# Altium PCB UCL-CPUM-H7-2.PcbDoc (part 3 of 4)
Units mm, origin at the board's own origin, x right, y up, seen from the top; angles counter-clockwise.
Board outline 42 x 53 mm, 6 copper layers (Top Layer, L2_GND, L3_VCC, L4_Sig, L5_GND, Bottom Layer), stack 1.657 mm thick; 92 components, 176 nets, 471 pads, 255 vias.
Unrouted connection lines stored in the file: 34.
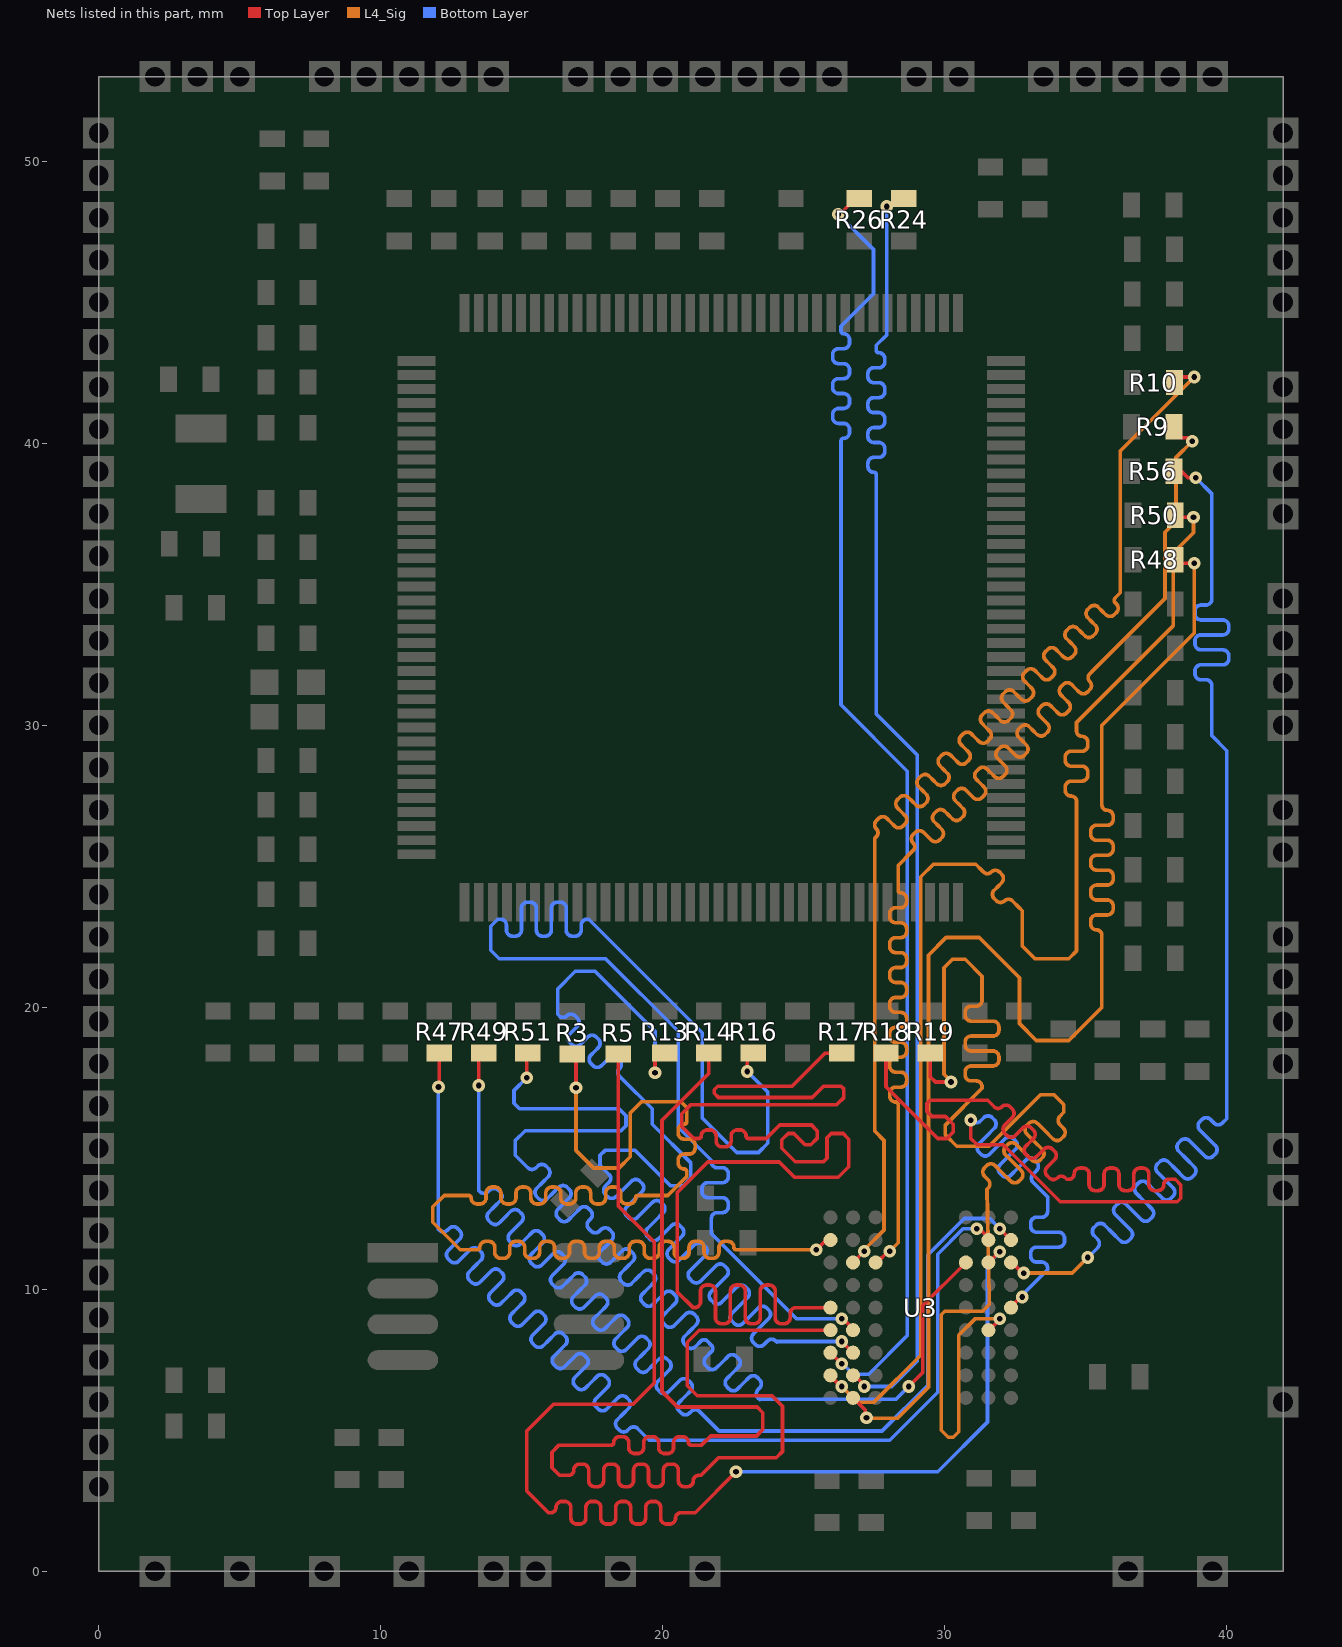
[diagram p7: the nets of this part, all layers, seen from the top]

## Via types
v1: diameter 0.4/0.45/0.4 (per signal layer), hole 0.2, Top Layer to Bottom Layer, 253 vias
v2: diameter 0.8, hole 0.4, Top Layer to Bottom Layer, 2 vias

## Nets (pads, with @x,y where several pads share a name; then routed paths per layer and width w, separated by ;. In a path a pad name is that pad's centre, name@x,y a point inside that pad or via, vN(x,y) a via of type N, cw(c..) or ccw(c..) an arc to the next point about the centre after c; other vN are vias at no path point) (continued)
SDRAM_A7: R47.1 U3.H2 | length 49.6
  Top Layer w0.13: v1(12.051,17.176) 12.08,17.205 R47.1@12.08,18.375 ; v1(31.134,12.144) 31.231,12.144 31.6,11.775 31.575,11.75 U3.H2@31.55,11.75
  Bottom Layer w0.13: v1(12.051,17.176) 12.035,17.16 12.035,12.14 12.072,12.103 ccw(c12.222,12.252) 12.372,12.103 12.426,12.156 cw(c12.576,12.006) 12.726,12.156 12.801,12.081 cw(c12.651,11.931) 12.801,11.781 12.597,11.578 12.394,11.374 ccw(c12.543,11.224) 12.394,11.074 12.468,10.999 ccw(c12.618,11.149) 12.768,10.999 12.972,11.203 13.176,11.407 cw(c13.325,11.257) 13.475,11.407 13.55,11.332 cw(c13.4,11.182) 13.55,11.032 13.347,10.828 13.143,10.625 ccw(c13.293,10.475) 13.143,10.325 13.218,10.25 ccw(c13.368,10.4) 13.518,10.25 13.721,10.454 13.925,10.657 cw(c14.075,10.507) 14.225,10.657 14.3,10.582 cw(c14.15,10.432) 14.3,10.282 14.096,10.079 13.893,9.875 ccw(c14.042,9.725) 13.893,9.575 13.968,9.5 ccw(c14.117,9.65) 14.267,9.5 14.471,9.704 14.675,9.908 cw(c14.825,9.758) 14.974,9.908 15.049,9.833 cw(c14.899,9.683) 15.049,9.533 14.846,9.329 14.642,9.126 ccw(c14.792,8.976) 14.642,8.826 14.717,8.751 ccw(c14.867,8.901) 15.017,8.751 15.221,8.954 15.424,9.158 ; 15.424,9.158 cw(c15.574,9.008) 15.724,9.158 15.799,9.083 cw(c15.649,8.933) 15.799,8.783 15.595,8.58 15.392,8.376 ccw(c15.542,8.226) 15.392,8.076 15.467,8.001 ccw(c15.616,8.151) 15.766,8.001 15.97,8.205 16.174,8.409 cw(c16.324,8.259) 16.474,8.409 16.548,8.334 cw(c16.399,8.184) 16.548,8.034 16.345,7.83 16.141,7.627 ccw(c16.291,7.477) 16.141,7.327 16.216,7.252 ccw(c16.366,7.402) 16.516,7.252 16.72,7.455 16.923,7.659 cw(c17.073,7.509) 17.223,7.659 17.298,7.584 cw(c17.148,7.434) 17.298,7.284 17.094,7.081 16.891,6.877 ccw(c17.041,6.727) 16.891,6.577 16.966,6.502 ccw(c17.116,6.652) 17.265,6.502 17.469,6.706 17.673,6.91 cw(c17.823,6.76) 17.973,6.91 18.048,6.835 cw(c17.898,6.685) 18.048,6.535 17.844,6.331 17.64,6.127 ccw(c17.79,5.978) 17.64,5.828 17.715,5.753 ccw(c17.865,5.903) 18.015,5.753 18.219,5.956 18.422,6.16 cw(c18.572,6.01) 18.722,6.16 18.797,6.085 cw(c18.647,5.935) 18.797,5.785 18.593,5.582 18.39,5.378 ccw(c18.54,5.228) 18.39,5.078 18.465,5.003 ccw(c18.615,5.153) 18.765,5.003 18.818,5.057 cw(c18.968,4.907) 19.118,5.057 19.525,4.65 19.55,4.65 28.05,4.65 29.75,6.35 29.75,11.241 30.653,12.144 v1(31.134,12.144)
SDRAM_A8: R49.1 U3.H1 | length 49.7
  Top Layer w0.13: v1(13.475,17.225) 13.475,18.2 R49.1@13.65,18.375 ; v1(31.952,12.151) 31.952,12.148 U3.H1@32.35,11.75
  Bottom Layer w0.13: v1(13.475,17.225) 13.475,13.5 13.512,13.463 ccw(c13.662,13.612) 13.812,13.463 13.866,13.516 cw(c14.016,13.366) 14.166,13.516 14.241,13.441 cw(c14.091,13.291) 14.241,13.142 14.037,12.938 13.834,12.734 ccw(c13.983,12.584) 13.834,12.434 13.908,12.359 ccw(c14.058,12.509) 14.208,12.359 14.412,12.563 14.616,12.767 cw(c14.765,12.617) 14.915,12.767 14.99,12.692 cw(c14.84,12.542) 14.99,12.392 14.787,12.188 14.583,11.985 ccw(c14.733,11.835) 14.583,11.685 14.658,11.61 ccw(c14.808,11.76) 14.958,11.61 15.161,11.814 15.365,12.017 cw(c15.515,11.867) 15.665,12.017 15.74,11.942 cw(c15.59,11.792) 15.74,11.642 15.536,11.439 15.333,11.235 ccw(c15.482,11.085) 15.333,10.935 15.408,10.86 ccw(c15.557,11.01) 15.707,10.86 15.911,11.064 16.115,11.268 cw(c16.265,11.118) 16.414,11.268 16.489,11.193 cw(c16.339,11.043) 16.489,10.893 16.286,10.689 16.082,10.486 ccw(c16.232,10.336) 16.082,10.186 16.157,10.111 ccw(c16.307,10.261) 16.457,10.111 16.661,10.314 16.864,10.518 cw(c17.014,10.368) 17.164,10.518 17.239,10.443 cw(c17.089,10.293) 17.239,10.143 17.035,9.94 16.832,9.736 ccw(c16.982,9.586) 16.832,9.436 16.907,9.361 ccw(c17.056,9.511) 17.206,9.361 17.41,9.565 17.614,9.769 cw(c17.764,9.619) 17.913,9.769 17.988,9.694 cw(c17.839,9.544) 17.988,9.394 17.785,9.19 17.581,8.987 ccw(c17.731,8.837) 17.581,8.687 17.656,8.612 ccw(c17.806,8.762) 17.956,8.612 18.16,8.815 18.363,9.019 cw(c18.513,8.869) 18.663,9.019 18.738,8.944 cw(c18.588,8.794) 18.738,8.644 18.534,8.441 18.331,8.237 ccw(c18.481,8.087) 18.331,7.937 18.406,7.862 ccw(c18.556,8.012) 18.705,7.862 18.909,8.066 19.113,8.27 cw(c19.263,8.12) 19.413,8.27 19.488,8.195 cw(c19.338,8.045) 19.488,7.895 19.284,7.691 19.08,7.487 ccw(c19.23,7.338) 19.08,7.188 19.155,7.113 ccw(c19.305,7.263) 19.455,7.113 19.659,7.316 19.862,7.52 cw(c20.012,7.37) 20.162,7.52 20.237,7.445 cw(c20.087,7.295) 20.237,7.145 20.033,6.942 19.83,6.738 ccw(c19.98,6.588) 19.83,6.438 19.905,6.363 ccw(c20.055,6.513) 20.205,6.363 20.408,6.567 20.612,6.77 cw(c20.762,6.621) 20.912,6.77 20.987,6.696 cw(c20.837,6.546) 20.987,6.396 20.783,6.192 20.579,5.988 ccw(c20.729,5.839) 20.579,5.689 20.654,5.614 ccw(c20.804,5.764) 20.954,5.614 21.008,5.667 cw(c21.158,5.517) 21.308,5.667 21.412,5.563 22,4.975 27.775,4.975 29.4,6.6 29.4,11.216 30.692,12.509 31.593,12.509 v1(31.952,12.151)
SDRAM_A9: R51.1 U3.G3 | length 49.5
  Top Layer w0.13: v1(15.175,17.5) 15.175,18.33 R51.1@15.22,18.375 ; v1(28.726,6.55) 29.225,7.049 29.225,9.425 30.725,10.925 30.725,10.95 U3.G3@30.75,10.95
  Bottom Layer w0.13: v1(15.175,17.5) 14.725,17.05 14.725,16.6 14.925,16.4 18.45,16.4 18.7,16.15 18.7,15.8 18.525,15.625 15.125,15.625 14.775,15.275 14.775,14.75 15.175,14.35 15.212,14.313 ccw(c15.362,14.462) 15.512,14.313 15.566,14.366 cw(c15.716,14.216) 15.866,14.366 15.941,14.291 cw(c15.791,14.141) 15.941,13.991 15.737,13.788 15.533,13.584 ccw(c15.683,13.434) 15.533,13.284 15.608,13.209 ccw(c15.758,13.359) 15.908,13.209 16.112,13.413 16.316,13.617 cw(c16.465,13.467) 16.615,13.617 16.69,13.542 cw(c16.54,13.392) 16.69,13.242 16.487,13.038 16.283,12.835 ccw(c16.433,12.685) 16.283,12.535 16.358,12.46 ccw(c16.508,12.61) 16.658,12.46 16.861,12.664 17.065,12.867 cw(c17.215,12.717) 17.365,12.867 17.44,12.792 cw(c17.29,12.642) 17.44,12.492 17.386,12.439 ccw(c17.536,12.289) 17.386,12.139 17.461,12.064 ccw(c17.611,12.214) 17.761,12.064 17.815,12.118 cw(c17.965,11.968) 18.114,12.118 18.189,12.043 cw(c18.039,11.893) 18.189,11.743 17.986,11.539 17.782,11.336 ccw(c17.932,11.186) 17.782,11.036 17.857,10.961 ccw(c18.007,11.111) 18.157,10.961 18.361,11.164 18.564,11.368 cw(c18.714,11.218) 18.864,11.368 18.939,11.293 cw(c18.789,11.143) 18.939,10.993 18.735,10.79 18.532,10.586 ccw(c18.682,10.436) 18.532,10.286 18.607,10.211 ccw(c18.756,10.361) 18.906,10.211 19.11,10.415 19.314,10.619 cw(c19.464,10.469) 19.613,10.619 19.688,10.544 cw(c19.539,10.394) 19.688,10.244 19.485,10.04 19.281,9.837 ccw(c19.431,9.687) 19.281,9.537 19.356,9.462 ccw(c19.506,9.612) 19.656,9.462 19.86,9.665 20.063,9.869 cw(c20.213,9.719) 20.363,9.869 20.438,9.794 cw(c20.288,9.644) 20.438,9.494 20.234,9.291 20.031,9.087 ccw(c20.181,8.937) 20.031,8.787 20.106,8.712 ccw(c20.256,8.862) 20.405,8.712 20.609,8.916 20.813,9.12 cw(c20.963,8.97) 21.113,9.12 21.188,9.045 cw(c21.038,8.895) 21.188,8.745 20.984,8.541 20.78,8.337 ccw(c20.93,8.188) 20.78,8.038 20.855,7.963 ccw(c21.005,8.113) 21.155,7.963 21.359,8.166 cw(c21.467,8.058) 21.575,8.166 21.733,8.008 cw(c21.625,7.9) 21.733,7.792 21.53,7.588 ccw(c21.68,7.438) 21.53,7.288 21.605,7.213 ccw(c21.755,7.363) 21.905,7.213 22.108,7.417 22.312,7.62 cw(c22.462,7.471) 22.612,7.62 22.687,7.546 cw(c22.537,7.396) 22.687,7.246 22.483,7.042 22.279,6.838 ccw(c22.429,6.689) 22.279,6.539 22.354,6.464 ccw(c22.504,6.614) 22.654,6.464 22.858,6.667 23.061,6.871 cw(c23.211,6.721) 23.361,6.871 23.436,6.796 cw(c23.286,6.646) 23.436,6.496 23.382,6.442 ccw(c23.532,6.293) 23.382,6.143 23.437,6.087 23.45,6.1 28.276,6.1 v1(28.726,6.55)
SDRAM_A10: R3.2 U3.H9 | length 49.5
  Top Layer w0.13: R3.2@16.791,18.35 16.925,18.216 v1(16.925,17.15) ; v1(25.45,11.4) 25.85,11.8 25.925,11.8 25.95,11.775 U3.H9@25.95,11.75
  L4_Sig w0.13: v1(16.925,17.15) 16.925,14.925 17.55,14.3 18.45,14.3 18.85,14.7 18.85,16.25 19.25,16.65 20.65,16.65 20.85,16.45 20.85,16.385 20.85,15.943 cw(c20.762,15.943) 20.762,15.855 ccw(c20.762,15.643) 20.55,15.643 20.55,15.537 ccw(c20.762,15.537) 20.762,15.325 20.85,15.325 20.938,15.325 cw(c20.938,15.113) 21.15,15.113 21.15,15.007 cw(c20.938,15.007) 20.938,14.795 20.85,14.795 20.762,14.795 ccw(c20.762,14.583) 20.55,14.583 20.55,14.477 ccw(c20.762,14.477) 20.762,14.265 cw(c20.762,14.177) 20.85,14.177 20.85,14 20.175,13.325 19.3,13.325 19.123,13.325 ccw(c19.123,13.237) 19.035,13.237 cw(c18.823,13.237) 18.823,13.025 18.717,13.025 cw(c18.717,13.237) 18.505,13.237 18.505,13.325 18.505,13.413 ccw(c18.293,13.413) 18.293,13.625 18.187,13.625 ccw(c18.187,13.413) 17.975,13.413 17.975,13.325 17.975,13.237 cw(c17.763,13.237) 17.763,13.025 17.657,13.025 cw(c17.657,13.237) 17.445,13.237 17.445,13.325 17.445,13.413 ccw(c17.233,13.413) 17.233,13.625 17.127,13.625 ccw(c17.127,13.413) 16.915,13.413 16.915,13.325 16.915,13.237 cw(c16.703,13.237) 16.703,13.025 16.597,13.025 cw(c16.597,13.237) 16.385,13.237 16.385,13.325 16.385,13.413 ccw(c16.173,13.413) 16.173,13.625 16.067,13.625 ccw(c16.067,13.413) 15.855,13.413 15.855,13.325 15.855,13.237 cw(c15.643,13.237) 15.643,13.025 15.537,13.025 cw(c15.537,13.237) 15.325,13.237 15.325,13.325 15.325,13.413 ccw(c15.113,13.413) 15.113,13.625 15.007,13.625 ccw(c15.007,13.413) 14.795,13.413 14.795,13.325 14.795,13.237 cw(c14.583,13.237) 14.583,13.025 14.477,13.025 cw(c14.477,13.237) 14.265,13.237 14.265,13.325 14.265,13.413 ccw(c14.053,13.413) 14.053,13.625 13.947,13.625 ccw(c13.947,13.413) 13.735,13.413 13.735,13.325 13.735,13.237 cw(c13.523,13.237) 13.523,13.025 13.417,13.025 cw(c13.417,13.237) 13.205,13.237 ccw(c13.117,13.237) 13.117,13.325 12.975,13.325 12.25,13.325 11.85,12.925 11.85,12.375 12.825,11.4 13.25,11.4 13.427,11.4 ccw(c13.427,11.488) 13.515,11.488 cw(c13.727,11.488) 13.727,11.7 13.833,11.7 cw(c13.833,11.488) 14.045,11.488 14.045,11.4 14.045,11.312 ccw(c14.257,11.312) 14.257,11.1 14.363,11.1 ccw(c14.363,11.312) 14.575,11.312 14.575,11.4 14.575,11.488 cw(c14.787,11.488) 14.787,11.7 14.893,11.7 cw(c14.893,11.488) 15.105,11.488 15.105,11.4 15.105,11.312 ccw(c15.317,11.312) 15.317,11.1 15.423,11.1 ccw(c15.423,11.312) 15.635,11.312 15.635,11.4 15.635,11.488 cw(c15.847,11.488) 15.847,11.7 15.953,11.7 cw(c15.953,11.488) 16.165,11.488 16.165,11.4 16.165,11.312 ccw(c16.377,11.312) 16.377,11.1 16.483,11.1 ccw(c16.483,11.312) 16.695,11.312 16.695,11.4 16.695,11.488 cw(c16.907,11.488) 16.907,11.7 17.013,11.7 cw(c17.013,11.488) 17.225,11.488 17.225,11.4 17.225,11.312 ccw(c17.437,11.312) 17.437,11.1 17.543,11.1 ccw(c17.543,11.312) 17.755,11.312 17.755,11.4 17.755,11.488 cw(c17.967,11.488) 17.967,11.7 18.073,11.7 cw(c18.073,11.488) 18.285,11.488 18.285,11.4 18.285,11.312 ccw(c18.497,11.312) 18.497,11.1 18.603,11.1 ccw(c18.603,11.312) 18.815,11.312 18.815,11.4 18.815,11.488 cw(c19.027,11.488) 19.027,11.7 19.133,11.7 cw(c19.133,11.488) 19.345,11.488 19.345,11.4 19.345,11.312 ccw(c19.557,11.312) 19.557,11.1 19.663,11.1 ccw(c19.663,11.312) 19.875,11.312 19.875,11.4 19.875,11.488 cw(c20.087,11.488) 20.087,11.7 20.193,11.7 cw(c20.193,11.488) 20.405,11.488 20.405,11.4 20.405,11.312 ccw(c20.617,11.312) 20.617,11.1 20.723,11.1 ccw(c20.723,11.312) 20.935,11.312 20.935,11.4 20.935,11.488 cw(c21.147,11.488) 21.147,11.7 21.253,11.7 cw(c21.253,11.488) 21.465,11.488 21.465,11.4 21.465,11.312 ccw(c21.677,11.312) 21.677,11.1 21.783,11.1 ccw(c21.783,11.312) 21.995,11.312 21.995,11.4 21.995,11.488 cw(c22.207,11.488) 22.207,11.7 22.313,11.7 cw(c22.313,11.488) 22.525,11.488 ccw(c22.613,11.488) 22.613,11.4 22.8,11.4 v1(25.45,11.4)
SDRAM_A11: R5.2 U3.G2 | length 49.1
  Top Layer w0.13: R5.2@18.425,18.35 18.425,12.95 19.7,11.675 19.7,6.675 18.95,5.925 16.125,5.925 15.175,4.975 15.175,2.85 15.95,2.075 16.027,2.075 ccw(c16.027,2.263) 16.215,2.263 cw(c16.427,2.263) 16.427,2.475 16.533,2.475 cw(c16.533,2.263) 16.745,2.263 16.745,2.075 16.745,1.887 ccw(c16.957,1.887) 16.957,1.675 17.063,1.675 ccw(c17.063,1.887) 17.275,1.887 17.275,2.075 17.275,2.263 cw(c17.487,2.263) 17.487,2.475 17.593,2.475 cw(c17.593,2.263) 17.805,2.263 17.805,2.075 17.805,1.887 ccw(c18.017,1.887) 18.017,1.675 18.123,1.675 ccw(c18.123,1.887) 18.335,1.887 18.335,2.075 18.335,2.263 cw(c18.547,2.263) 18.547,2.475 18.653,2.475 cw(c18.653,2.263) 18.865,2.263 18.865,2.075 18.865,1.887 ccw(c19.077,1.887) 19.077,1.675 19.183,1.675 ccw(c19.183,1.887) 19.395,1.887 19.395,2.075 19.395,2.263 cw(c19.607,2.263) 19.607,2.475 19.713,2.475 cw(c19.713,2.263) 19.925,2.263 19.925,2.075 19.925,1.887 ccw(c20.137,1.887) 20.137,1.675 20.243,1.675 ccw(c20.243,1.887) 20.455,1.887 cw(c20.643,1.887) 20.643,2.075 20.75,2.075 21.15,2.075 v1(22.6,3.525) ; U3.G2@31.55,10.95 31.563,10.95 31.94,11.327 v1(31.95,11.327)
  Bottom Layer w0.13: v1(22.6,3.525) 29.75,3.525 31.517,5.292 31.517,10.891 31.95,11.324 v1(31.95,11.327)
SDRAM_A12: R56.2 U3.G1 | length 50
  Top Layer w0.13: U3.G1@32.35,10.95 32.388,10.95 32.763,10.575 v1(32.8,10.575) ; R56.2@38.125,39.016 38.141,39 38.4,39 38.625,38.775 v1(38.9,38.775)
  L4_Sig w0.13: v1(32.8,10.575) 34.525,10.575 v1(35.075,11.125)
  Bottom Layer w0.13: v1(35.075,11.125) 35.387,11.437 35.425,11.475 ccw(c35.275,11.625) 35.425,11.775 35.301,11.899 cw(c35.45,12.049) 35.301,12.199 35.375,12.274 cw(c35.525,12.124) 35.675,12.274 35.95,12 36.224,11.725 ccw(c36.374,11.875) 36.524,11.725 36.599,11.8 ccw(c36.449,11.95) 36.599,12.1 36.324,12.374 36.05,12.649 cw(c36.2,12.799) 36.05,12.949 36.125,13.024 cw(c36.275,12.874) 36.425,13.024 36.699,12.749 36.974,12.475 ccw(c37.123,12.625) 37.273,12.475 37.348,12.55 ccw(c37.198,12.7) 37.348,12.85 37.074,13.124 36.8,13.398 cw(c36.949,13.548) 36.8,13.698 36.875,13.773 cw(c37.024,13.623) 37.174,13.773 37.449,13.499 37.723,13.224 ccw(c37.873,13.374) 38.023,13.224 38.098,13.299 ccw(c37.948,13.449) 38.098,13.599 37.823,13.873 37.549,14.148 cw(c37.699,14.298) 37.549,14.448 37.624,14.523 cw(c37.774,14.373) 37.924,14.523 38.198,14.248 38.473,13.974 ccw(c38.623,14.124) 38.772,13.974 38.847,14.049 ccw(c38.697,14.199) 38.847,14.349 38.573,14.623 38.299,14.897 cw(c38.449,15.047) 38.299,15.197 38.374,15.272 cw(c38.524,15.122) 38.673,15.272 38.948,14.998 39.222,14.723 ccw(c39.372,14.873) 39.522,14.723 39.597,14.798 ccw(c39.447,14.948) 39.597,15.098 39.323,15.373 39.048,15.647 cw(c39.198,15.797) 39.048,15.947 39.123,16.022 cw(c39.273,15.872) 39.423,16.022 39.547,15.897 ccw(c39.697,16.047) 39.847,15.897 39.887,15.937 40,16.05 40,29.1 39.475,29.625 39.475,31.35 39.475,31.403 ccw(c39.263,31.403) 39.263,31.615 39.088,31.615 cw(c39.088,31.827) 38.876,31.827 38.876,31.933 cw(c39.088,31.933) 39.088,32.145 39.475,32.145 39.862,32.145 ccw(c39.862,32.357) 40.074,32.357 40.074,32.463 ccw(c39.862,32.463) 39.862,32.675 39.475,32.675 39.088,32.675 cw(c39.088,32.887) 38.876,32.887 38.876,32.993 cw(c39.088,32.993) 39.088,33.205 39.475,33.205 39.862,33.205 ccw(c39.862,33.417) 40.074,33.417 40.074,33.523 ccw(c39.862,33.523) 39.862,33.735 39.475,33.735 39.088,33.735 cw(c39.088,33.947) 38.876,33.947 38.876,34.053 cw(c39.088,34.053) 39.088,34.265 39.263,34.265 ccw(c39.263,34.477) 39.475,34.477 39.475,34.55 39.475,38.2 v1(38.9,38.775)
SDRAM_BA0: R9.2 U3.G7 | length 50.3
  Top Layer w0.13: U3.G7@27.55,10.95 27.6,10.95 28,11.35 v1(28.05,11.35) ; R9.2@38.125,40.586 38.125,40.436 38.36,40.201 38.59,40.201 38.715,40.075 v1(38.775,40.075)
  L4_Sig w0.13: v1(28.05,11.35) 28.35,11.65 28.35,16.275 28.35,16.552 ccw(c28.262,16.552) 28.262,16.64 cw(c28.262,16.852) 28.05,16.852 28.05,16.958 cw(c28.262,16.958) 28.262,17.17 28.35,17.17 28.438,17.17 ccw(c28.438,17.382) 28.65,17.382 28.65,17.488 ccw(c28.438,17.488) 28.438,17.7 28.35,17.7 28.262,17.7 cw(c28.262,17.912) 28.05,17.912 28.05,18.018 cw(c28.262,18.018) 28.262,18.23 28.35,18.23 28.438,18.23 ccw(c28.438,18.442) 28.65,18.442 28.65,18.548 ccw(c28.438,18.548) 28.438,18.76 28.35,18.76 28.262,18.76 cw(c28.262,18.972) 28.05,18.972 28.05,19.078 cw(c28.262,19.078) 28.262,19.29 28.35,19.29 28.438,19.29 ccw(c28.438,19.502) 28.65,19.502 28.65,19.608 ccw(c28.438,19.608) 28.438,19.82 28.35,19.82 28.262,19.82 cw(c28.262,20.032) 28.05,20.032 28.05,20.138 cw(c28.262,20.138) 28.262,20.35 28.35,20.35 28.438,20.35 ccw(c28.438,20.562) 28.65,20.562 28.65,20.668 ccw(c28.438,20.668) 28.438,20.88 28.35,20.88 28.262,20.88 cw(c28.262,21.092) 28.05,21.092 28.05,21.198 cw(c28.262,21.198) 28.262,21.41 28.35,21.41 28.438,21.41 ccw(c28.438,21.622) 28.65,21.622 28.65,21.728 ccw(c28.438,21.728) 28.438,21.94 28.35,21.94 28.262,21.94 cw(c28.262,22.152) 28.05,22.152 28.05,22.258 cw(c28.262,22.258) 28.262,22.47 28.35,22.47 28.438,22.47 ccw(c28.438,22.682) 28.65,22.682 28.65,22.788 ccw(c28.438,22.788) 28.438,23 28.35,23 28.262,23 cw(c28.262,23.212) 28.05,23.212 28.05,23.318 cw(c28.262,23.318) 28.262,23.53 28.35,23.53 28.438,23.53 ccw(c28.438,23.742) 28.65,23.742 28.65,23.848 ccw(c28.438,23.848) 28.438,24.06 cw(c28.438,24.148) 28.35,24.148 28.35,24.325 28.35,25.031 28.825,25.506 28.879,25.56 ccw(c28.747,25.693) 28.879,25.826 cw(c29.029,25.976) 28.879,26.126 28.954,26.201 cw(c29.104,26.051) 29.254,26.201 29.387,26.068 29.52,25.935 ccw(c29.67,26.085) 29.82,25.935 29.895,26.01 ccw(c29.745,26.16) 29.895,26.31 29.762,26.443 29.629,26.576 cw(c29.779,26.726) 29.629,26.875 29.704,26.95 cw(c29.854,26.801) 30.004,26.95 30.137,26.818 30.27,26.685 ccw(c30.42,26.834) 30.569,26.685 30.644,26.76 ccw(c30.494,26.909) 30.644,27.059 30.511,27.192 30.379,27.325 cw(c30.528,27.475) 30.379,27.625 30.453,27.7 cw(c30.603,27.55) 30.753,27.7 30.886,27.567 31.019,27.434 ccw(c31.169,27.584) 31.319,27.434 31.394,27.509 ccw(c31.244,27.659) 31.394,27.809 31.261,27.942 31.128,28.075 cw(c31.278,28.225) 31.128,28.375 31.203,28.45 cw(c31.353,28.3) 31.503,28.45 31.636,28.317 31.769,28.184 ccw(c31.919,28.334) 32.068,28.184 32.143,28.259 ccw(c31.994,28.408) 32.143,28.558 32.011,28.691 31.878,28.824 cw(c32.027,28.974) 31.878,29.124 31.953,29.199 cw(c32.102,29.049) 32.252,29.199 32.385,29.066 32.518,28.933 ccw(c32.668,29.083) 32.818,28.933 32.893,29.008 ccw(c32.743,29.158) 32.893,29.308 32.76,29.441 32.627,29.574 cw(c32.777,29.724) 32.627,29.874 32.702,29.949 cw(c32.852,29.799) 33.002,29.949 33.135,29.816 33.268,29.683 ccw(c33.418,29.833) 33.568,29.683 33.643,29.758 ccw(c33.493,29.908) 33.643,30.057 33.51,30.19 33.377,30.323 cw(c33.527,30.473) 33.377,30.623 33.452,30.698 cw(c33.601,30.548) 33.751,30.698 33.884,30.565 34.017,30.432 ccw(c34.167,30.582) 34.317,30.432 34.392,30.507 ccw(c34.242,30.657) 34.392,30.807 34.259,30.94 34.126,31.073 cw(c34.276,31.223) 34.126,31.373 34.201,31.448 cw(c34.351,31.298) 34.501,31.448 34.634,31.315 34.767,31.182 ccw(c34.917,31.332) 35.067,31.182 35.142,31.257 ccw(c34.992,31.407) 35.142,31.557 cw(c35.275,31.689) 35.142,31.822 35.21,31.89 37.815,34.496 37.815,36.846 38.2,37.231 38.2,39.5 v1(38.775,40.075)
SDRAM_BA1: R10.2 U3.G8 | length 50.9
  Top Layer w0.13: U3.G8@26.75,10.95 v1(27.15,11.35) ; R10.2@38.15,42.156 38.344,42.35 v1(38.85,42.35)
  L4_Sig w0.13: v1(27.15,11.35) 27.15,11.4 27.85,12.1 27.85,15.275 27.525,15.6 27.525,26 27.579,26.054 ccw(c27.447,26.187) 27.579,26.32 cw(c27.729,26.47) 27.579,26.62 27.654,26.695 cw(c27.804,26.545) 27.954,26.695 28.087,26.562 28.22,26.429 ccw(c28.37,26.579) 28.52,26.429 28.595,26.504 ccw(c28.445,26.654) 28.595,26.804 28.462,26.937 28.329,27.07 cw(c28.479,27.22) 28.329,27.37 28.404,27.445 cw(c28.554,27.295) 28.704,27.445 28.837,27.312 28.97,27.179 ccw(c29.12,27.329) 29.269,27.179 29.344,27.254 ccw(c29.194,27.404) 29.344,27.554 29.211,27.686 29.079,27.819 cw(c29.228,27.969) 29.079,28.119 29.153,28.194 cw(c29.303,28.044) 29.453,28.194 29.586,28.061 29.719,27.928 ccw(c29.869,28.078) 30.019,27.928 30.094,28.003 ccw(c29.944,28.153) 30.094,28.303 29.961,28.436 29.828,28.569 cw(c29.978,28.719) 29.828,28.869 29.903,28.944 cw(c30.053,28.794) 30.203,28.944 30.336,28.811 30.469,28.678 ccw(c30.619,28.828) 30.768,28.678 30.843,28.753 ccw(c30.694,28.903) 30.843,29.053 30.711,29.186 30.578,29.318 cw(c30.727,29.468) 30.578,29.618 30.653,29.693 cw(c30.802,29.543) 30.952,29.693 31.085,29.56 31.218,29.427 ccw(c31.368,29.577) 31.518,29.427 31.593,29.502 ccw(c31.443,29.652) 31.593,29.802 31.46,29.935 31.327,30.068 cw(c31.477,30.218) 31.327,30.368 31.402,30.443 cw(c31.552,30.293) 31.702,30.443 31.835,30.31 31.968,30.177 ccw(c32.118,30.327) 32.268,30.177 32.343,30.252 ccw(c32.193,30.402) 32.343,30.552 32.21,30.685 32.077,30.818 cw(c32.227,30.967) 32.077,31.117 32.152,31.192 cw(c32.301,31.042) 32.451,31.192 32.584,31.059 32.717,30.926 ccw(c32.867,31.076) 33.017,30.926 33.092,31.001 ccw(c32.942,31.151) 33.092,31.301 32.959,31.434 32.826,31.567 cw(c32.976,31.717) 32.826,31.867 32.901,31.942 cw(c33.051,31.792) 33.201,31.942 33.334,31.809 33.467,31.676 ccw(c33.617,31.826) 33.767,31.676 33.842,31.751 ccw(c33.692,31.901) 33.842,32.051 33.709,32.184 33.576,32.317 cw(c33.726,32.466) 33.576,32.616 33.651,32.691 cw(c33.801,32.541) 33.95,32.691 34.083,32.558 34.216,32.425 ccw(c34.366,32.575) 34.516,32.425 34.591,32.5 ccw(c34.441,32.65) 34.591,32.8 34.458,32.933 34.325,33.066 cw(c34.475,33.216) 34.325,33.366 34.4,33.441 cw(c34.55,33.291) 34.7,33.441 34.833,33.308 34.966,33.175 ccw(c35.116,33.325) 35.266,33.175 35.341,33.25 ccw(c35.191,33.4) 35.341,33.55 35.208,33.683 35.075,33.816 cw(c35.225,33.966) 35.075,34.115 35.15,34.19 cw(c35.3,34.04) 35.45,34.19 35.582,34.057 35.715,33.925 ccw(c35.865,34.074) 36.015,33.925 36.09,33.999 ccw(c35.94,34.149) 36.09,34.299 36.05,34.339 cw(c36.143,34.432) 36.05,34.525 36.225,34.7 36.225,39.725 v1(38.85,42.35)
SDRAM_D0: R48.2 U3.A8 | length 50.9
  Top Layer w0.13: U3.A8@26.75,6.15 27.183,5.717 27.183,5.492 v1(27.225,5.45) ; R48.2@38.175,35.875 38.3,35.75 v1(38.85,35.75)
  L4_Sig w0.13: v1(27.225,5.45) 27.25,5.425 28.325,5.425 29.425,6.525 29.425,21.85 30.05,22.475 31.225,22.475 32.65,21.05 32.65,19.425 33.25,18.825 34.4,18.825 35.575,20 35.575,22.5 35.575,22.557 ccw(c35.387,22.557) 35.387,22.745 cw(c35.387,22.957) 35.175,22.957 35.175,23.063 cw(c35.387,23.063) 35.387,23.275 35.575,23.275 35.763,23.275 ccw(c35.763,23.487) 35.975,23.487 35.975,23.593 ccw(c35.763,23.593) 35.763,23.805 35.575,23.805 35.387,23.805 cw(c35.387,24.017) 35.175,24.017 35.175,24.123 cw(c35.387,24.123) 35.387,24.335 35.575,24.335 35.763,24.335 ccw(c35.763,24.547) 35.975,24.547 35.975,24.653 ccw(c35.763,24.653) 35.763,24.865 35.575,24.865 35.387,24.865 cw(c35.387,25.077) 35.175,25.077 35.175,25.183 cw(c35.387,25.183) 35.387,25.395 35.575,25.395 35.763,25.395 ccw(c35.763,25.607) 35.975,25.607 35.975,25.713 ccw(c35.763,25.713) 35.763,25.925 35.575,25.925 35.387,25.925 cw(c35.387,26.137) 35.175,26.137 35.175,26.243 cw(c35.387,26.243) 35.387,26.455 35.575,26.455 35.763,26.455 ccw(c35.763,26.667) 35.975,26.667 35.975,26.773 ccw(c35.763,26.773) 35.763,26.985 cw(c35.763,27.173) 35.575,27.173 35.575,27.25 35.575,30 38.85,33.275 v1(38.85,35.75)
SDRAM_D1: R50.2 U3.B9 | length 50.4
  Top Layer w0.13: U3.B9@25.95,6.95 25.95,6.925 26.325,6.55 v1(26.351,6.55) ; R50.2@38.175,37.445 38.245,37.375 v1(38.825,37.375)
  L4_Sig w0.13: v1(26.351,6.55) 26.902,6 27.491,6 29.15,7.659 29.15,24.625 29.6,25.075 31.1,25.075 31.325,24.85 31.379,24.796 ccw(c31.512,24.928) 31.645,24.796 cw(c31.795,24.646) 31.945,24.796 32.02,24.721 cw(c31.87,24.571) 32.02,24.421 31.887,24.288 31.754,24.155 ccw(c31.904,24.005) 31.754,23.855 31.829,23.78 ccw(c31.979,23.93) 32.129,23.78 cw(c32.262,23.647) 32.395,23.78 32.637,23.538 32.75,23.425 32.75,22.175 33.2,21.725 34.4,21.725 34.675,22 34.675,27.025 34.675,27.302 ccw(c34.487,27.302) 34.487,27.49 cw(c34.487,27.702) 34.275,27.702 34.275,27.808 cw(c34.487,27.808) 34.487,28.02 34.675,28.02 34.863,28.02 ccw(c34.863,28.232) 35.075,28.232 35.075,28.338 ccw(c34.863,28.338) 34.863,28.55 34.675,28.55 34.487,28.55 cw(c34.487,28.762) 34.275,28.762 34.275,28.868 cw(c34.487,28.868) 34.487,29.08 34.675,29.08 34.863,29.08 ccw(c34.863,29.292) 35.075,29.292 35.075,29.398 ccw(c34.863,29.398) 34.863,29.61 cw(c34.863,29.798) 34.675,29.798 34.675,29.875 34.675,30.1 38.1,33.525 38.1,36.1 38.825,36.825 v1(38.825,37.375)
SDRAM_D2: R24.2 U3.B8 | length 48.7
  Top Layer w0.13: U3.B8@26.75,6.95 26.75,6.875 26.75,6.937 26.782,6.97 27.135,6.617 27.151,6.6 v1(27.151,6.55) ; v1(27.95,48.4) 27.99,48.44 28.31,48.44 R24.2@28.545,48.675
  Bottom Layer w0.13: v1(27.151,6.55) 28.125,6.55 29.025,7.45 29.025,28.95 27.575,30.4 27.575,38.75 27.575,38.882 ccw(c27.487,38.882) 27.487,38.97 cw(c27.487,39.182) 27.275,39.182 27.275,39.288 cw(c27.487,39.288) 27.487,39.5 27.575,39.5 27.663,39.5 ccw(c27.663,39.712) 27.875,39.712 27.875,39.818 ccw(c27.663,39.818) 27.663,40.03 27.575,40.03 27.487,40.03 cw(c27.487,40.242) 27.275,40.242 27.275,40.348 cw(c27.487,40.348) 27.487,40.56 27.575,40.56 27.663,40.56 ccw(c27.663,40.772) 27.875,40.772 27.875,40.878 ccw(c27.663,40.878) 27.663,41.09 27.575,41.09 27.487,41.09 cw(c27.487,41.302) 27.275,41.302 27.275,41.408 cw(c27.487,41.408) 27.487,41.62 27.575,41.62 27.663,41.62 ccw(c27.663,41.832) 27.875,41.832 27.875,41.938 ccw(c27.663,41.938) 27.663,42.15 27.575,42.15 27.487,42.15 cw(c27.487,42.362) 27.275,42.362 27.275,42.468 cw(c27.487,42.468) 27.487,42.68 27.575,42.68 27.663,42.68 ccw(c27.663,42.892) 27.875,42.892 27.875,42.998 ccw(c27.663,42.998) 27.663,43.21 cw(c27.663,43.298) 27.575,43.298 27.575,43.475 27.95,43.85 v1(27.95,48.4)
SDRAM_D3: R26.2 U3.C9 | length 49.2
  Top Layer w0.13: v1(26.225,48.125) 26.275,48.125 26.825,48.675 R26.2@26.975,48.675 ; v1(26.345,7.356) 26.335,7.367 U3.C9@25.951,7.751 ; U3.C9@25.951,7.751 25.938,7.763 25.925,7.75 U3.C9@25.95,7.75
  Bottom Layer w0.13: v1(26.225,48.125) 27.475,46.875 27.475,45.3 26.325,44.15 26.325,43.973 ccw(c26.413,43.973) 26.413,43.885 cw(c26.413,43.673) 26.625,43.673 26.625,43.567 cw(c26.413,43.567) 26.413,43.355 26.325,43.355 26.237,43.355 ccw(c26.237,43.143) 26.025,43.143 26.025,43.037 ccw(c26.237,43.037) 26.237,42.825 26.325,42.825 26.413,42.825 cw(c26.413,42.613) 26.625,42.613 26.625,42.507 cw(c26.413,42.507) 26.413,42.295 26.325,42.295 26.237,42.295 ccw(c26.237,42.083) 26.025,42.083 26.025,41.977 ccw(c26.237,41.977) 26.237,41.765 26.325,41.765 26.413,41.765 cw(c26.413,41.553) 26.625,41.553 26.625,41.447 cw(c26.413,41.447) 26.413,41.235 26.325,41.235 26.237,41.235 ccw(c26.237,41.023) 26.025,41.023 26.025,40.917 ccw(c26.237,40.917) 26.237,40.705 26.325,40.705 26.413,40.705 cw(c26.413,40.493) 26.625,40.493 26.625,40.387 cw(c26.413,40.387) 26.413,40.175 ccw(c26.413,40.087) 26.325,40.087 26.325,40.025 26.325,30.725 28.675,28.375 28.675,8.358 27.303,6.985 26.755,6.985 26.384,7.356 v1(26.345,7.356)
SDRAM_D4: R13.1 U3.C8 | length 49.5
  Top Layer w0.13: v1(19.725,17.675) 19.725,18.14 19.96,18.375 R13.1@20.068,18.375 ; v1(26.351,8.15) U3.C8@26.75,7.751
  Bottom Layer w0.13: v1(19.725,17.675) 19.725,19.15 17.6,21.275 16.9,21.275 16.275,20.65 16.275,19.75 16.329,19.696 ccw(c16.462,19.828) 16.595,19.696 cw(c16.745,19.546) 16.895,19.696 16.97,19.621 cw(c16.82,19.471) 16.97,19.321 16.837,19.188 16.704,19.055 ccw(c16.854,18.905) 16.704,18.755 16.779,18.68 ccw(c16.929,18.83) 17.079,18.68 17.212,18.813 17.345,18.946 cw(c17.495,18.796) 17.645,18.946 17.72,18.871 cw(c17.57,18.721) 17.72,18.571 17.587,18.438 17.454,18.305 ccw(c17.604,18.155) 17.454,18.006 17.529,17.931 ccw(c17.679,18.081) 17.829,17.931 17.961,18.064 18.094,18.196 cw(c18.244,18.047) 18.394,18.196 18.469,18.122 cw(c18.319,17.972) 18.469,17.822 ccw(c18.602,17.689) 18.469,17.556 18.575,17.45 19.625,16.4 19.625,15.85 21,14.475 21,13.95 20.725,13.675 20.275,13.675 19.025,14.925 17.95,14.925 17.775,14.75 17.775,14.4 17.866,14.309 18.091,14.084 cw(c17.941,13.934) 18.091,13.784 17.967,13.66 ccw(c18.117,13.51) 17.967,13.36 18.042,13.285 ccw(c18.192,13.435) 18.342,13.285 18.616,13.559 18.89,13.833 cw(c19.04,13.684) 19.19,13.833 19.265,13.759 cw(c19.115,13.609) 19.265,13.459 18.991,13.184 18.716,12.91 ccw(c18.866,12.76) 18.716,12.61 18.791,12.535 ccw(c18.941,12.685) 19.091,12.535 19.365,12.81 19.64,13.084 cw(c19.79,12.934) 19.94,13.084 20.015,13.009 cw(c19.865,12.859) 20.015,12.709 19.74,12.435 19.466,12.16 ccw(c19.616,12.011) 19.466,11.861 19.541,11.786 ccw(c19.691,11.936) 19.841,11.786 20.115,12.06 20.312,12.257 cw(c20.462,12.107) 20.612,12.257 20.687,12.182 cw(c20.537,12.032) 20.687,11.882 20.49,11.685 20.215,11.411 ccw(c20.365,11.261) 20.215,11.111 20.29,11.036 ccw(c20.44,11.186) 20.59,11.036 20.864,11.311 21.139,11.585 cw(c21.289,11.435) 21.439,11.585 21.514,11.51 cw(c21.364,11.36) 21.514,11.21 21.239,10.936 20.965,10.661 ccw(c21.115,10.511) 20.965,10.362 21.04,10.287 ccw(c21.19,10.437) 21.34,10.287 21.614,10.561 21.888,10.835 cw(c22.038,10.685) 22.188,10.835 22.263,10.76 cw(c22.113,10.61) 22.263,10.461 21.989,10.186 21.714,9.912 ccw(c21.864,9.762) 21.714,9.612 21.789,9.537 ccw(c21.939,9.687) 22.089,9.537 22.364,9.811 22.638,10.086 cw(c22.788,9.936) 22.938,10.086 23.013,10.011 cw(c22.863,9.861) 23.013,9.711 22.738,9.437 22.464,9.162 ccw(c22.614,9.012) 22.464,8.863 22.539,8.788 ccw(c22.689,8.937) 22.839,8.788 23.113,9.062 23.387,9.336 cw(c23.537,9.186) 23.687,9.336 23.762,9.261 cw(c23.612,9.111) 23.762,8.962 23.488,8.687 23.213,8.413 ccw(c23.363,8.263) 23.213,8.113 23.288,8.038 ccw(c23.438,8.188) 23.588,8.038 23.713,8.162 cw(c23.863,8.013) 24.013,8.162 24.05,8.125 24.075,8.15 v1(26.351,8.15)
SDRAM_D5: R14.1 U3.D9 | length 53
  Top Layer w0.13: R14.1@21.638,18.375 21.638,17.662 19.975,15.999 19.975,6.375 20.525,5.825 23.35,5.825 23.55,5.625 23.55,5.025 23.325,4.8 21.7,4.8 21.375,4.475 21.003,4.475 cw(c21.003,4.563) 20.915,4.563 ccw(c20.703,4.563) 20.703,4.775 20.597,4.775 ccw(c20.597,4.563) 20.385,4.563 20.385,4.475 20.385,4.387 cw(c20.173,4.387) 20.173,4.175 20.067,4.175 cw(c20.067,4.387) 19.855,4.387 19.855,4.475 19.855,4.563 ccw(c19.643,4.563) 19.643,4.775 19.537,4.775 ccw(c19.537,4.563) 19.325,4.563 19.325,4.475 19.325,4.387 cw(c19.113,4.387) 19.113,4.175 19.007,4.175 cw(c19.007,4.387) 18.795,4.387 18.795,4.475 18.795,4.563 ccw(c18.583,4.563) 18.583,4.775 18.477,4.775 ccw(c18.477,4.563) 18.265,4.563 cw(c18.177,4.563) 18.177,4.475 18,4.475 16.325,4.475 16.075,4.225 16.075,3.675 16.35,3.4 16.625,3.4 16.657,3.4 ccw(c16.657,3.588) 16.845,3.588 cw(c17.057,3.588) 17.057,3.8 17.163,3.8 cw(c17.163,3.588) 17.375,3.588 17.375,3.4 17.375,3.212 ccw(c17.587,3.212) 17.587,3 17.693,3 ccw(c17.693,3.212) 17.905,3.212 17.905,3.4 17.905,3.588 cw(c18.117,3.588) 18.117,3.8 18.223,3.8 cw(c18.223,3.588) 18.435,3.588 18.435,3.4 18.435,3.212 ccw(c18.647,3.212) 18.647,3 18.753,3 ccw(c18.753,3.212) 18.965,3.212 18.965,3.4 18.965,3.588 cw(c19.177,3.588) 19.177,3.8 19.283,3.8 cw(c19.283,3.588) 19.495,3.588 19.495,3.4 19.495,3.212 ccw(c19.707,3.212) 19.707,3 19.813,3 ccw(c19.813,3.212) 20.025,3.212 20.025,3.4 20.025,3.588 cw(c20.237,3.588) 20.237,3.8 20.343,3.8 cw(c20.343,3.588) 20.555,3.588 20.555,3.4 20.555,3.212 ccw(c20.767,3.212) 20.767,3 20.873,3 ccw(c20.873,3.212) 21.085,3.212 cw(c21.273,3.212) 21.273,3.4 21.35,3.4 21.975,4.025 24.025,4.025 24.25,4.25 24.25,5.85 23.875,6.225 21.225,6.225 20.875,6.575 20.875,8.125 21.3,8.55 U3.D9@25.95,8.55
SDRAM_D6: R16.1 U3.D8 | length 49
  Top Layer w0.13: v1(23,17.725) 23,18.167 R16.1@23.208,18.375 ; v1(26.35,8.95) 26.4,8.95 U3.D8@26.8,8.55 ; U3.D8@26.75,8.55 U3.D8@26.8,8.55 ; U3.D8@26.825,8.525 U3.D8@26.8,8.55
  Bottom Layer w0.13: v1(23,17.725) 23.725,17 23.725,15.175 23.4,14.85 22.625,14.85 21.4,16.075 21.4,19.1 17.375,23.125 17.322,23.125 ccw(c17.322,22.913) 17.11,22.913 17.11,22.737 cw(c16.898,22.737) 16.898,22.525 16.792,22.525 cw(c16.792,22.737) 16.58,22.737 16.58,23.125 16.58,23.513 ccw(c16.368,23.513) 16.368,23.725 16.262,23.725 ccw(c16.262,23.513) 16.05,23.513 16.05,23.125 16.05,22.737 cw(c15.838,22.737) 15.838,22.525 15.732,22.525 cw(c15.732,22.737) 15.52,22.737 15.52,23.125 15.52,23.513 ccw(c15.308,23.513) 15.308,23.725 15.202,23.725 ccw(c15.202,23.513) 14.99,23.513 14.99,23.125 14.99,22.737 cw(c14.778,22.737) 14.778,22.525 14.672,22.525 cw(c14.672,22.737) 14.46,22.737 14.46,22.913 ccw(c14.248,22.913) 14.248,23.125 14.15,23.125 13.9,22.875 13.9,22.025 14.2,21.725 17.975,21.725 20.55,19.15 20.55,15.75 21.725,14.575 21.725,14.522 ccw(c21.937,14.522) 21.937,14.31 22.113,14.31 cw(c22.113,14.098) 22.325,14.098 22.325,13.992 cw(c22.113,13.992) 22.113,13.78 21.725,13.78 21.603,13.78 ccw(c21.603,13.568) 21.391,13.568 21.391,13.462 ccw(c21.603,13.462) 21.603,13.25 21.725,13.25 22.113,13.25 cw(c22.113,13.038) 22.325,13.038 22.325,12.932 cw(c22.113,12.932) 22.113,12.72 21.937,12.72 ccw(c21.937,12.508) 21.725,12.508 21.725,12.4 21.725,11.975 24.75,8.95 v1(26.35,8.95)
SDRAM_D7: R17.1 U3.E9 | length 52.9
  Top Layer w0.13: U3.E9@25.95,9.35 25.025,9.35 24.732,9.35 ccw(c24.732,9.138) 24.52,9.138 24.52,8.992 cw(c24.308,8.992) 24.308,8.78 24.202,8.78 cw(c24.202,8.992) 23.99,8.992 23.99,9.35 23.99,9.938 ccw(c23.778,9.938) 23.778,10.15 23.672,10.15 ccw(c23.672,9.938) 23.46,9.938 23.46,9.35 23.46,8.992 cw(c23.248,8.992) 23.248,8.78 23.142,8.78 cw(c23.142,8.992) 22.93,8.992 22.93,9.35 22.93,9.938 ccw(c22.718,9.938) 22.718,10.15 22.612,10.15 ccw(c22.612,9.938) 22.4,9.938 22.4,9.35 22.4,8.992 cw(c22.188,8.992) 22.188,8.78 22.082,8.78 cw(c22.082,8.992) 21.87,8.992 21.87,9.35 21.87,9.938 ccw(c21.658,9.938) 21.658,10.15 21.552,10.15 ccw(c21.552,9.938) 21.34,9.938 21.34,9.562 cw(c21.128,9.562) 21.128,9.35 21.075,9.35 20.51,9.915 20.51,13.426 21.599,14.515 24.135,14.515 24.675,13.975 26.225,13.975 26.6,14.35 26.6,15.325 26.4,15.525 25.975,15.525 25.825,15.375 25.825,14.65 25.7,14.525 24.7,14.525 24.225,15 24.225,15.3 24.45,15.525 24.65,15.525 25.05,15.125 25.25,15.125 25.475,15.35 25.475,15.625 25.275,15.825 24.15,15.825 23.675,15.35 23.65,15.35 23.485,15.35 23.043,15.35 cw(c23.043,15.438) 22.955,15.438 ccw(c22.743,15.438) 22.743,15.65 22.637,15.65 ccw(c22.637,15.438) 22.425,15.438 22.425,15.35 22.425,15.262 cw(c22.213,15.262) 22.213,15.05 22.107,15.05 cw(c22.107,15.262) 21.895,15.262 21.895,15.35 21.895,15.438 ccw(c21.683,15.438) 21.683,15.65 21.577,15.65 ccw(c21.577,15.438) 21.365,15.438 cw(c21.277,15.438) 21.277,15.35 21.1,15.35 20.675,15.775 20.675,16.225 21,16.55 26.175,16.55 26.425,16.8 26.425,17.1 26.325,17.2 25.7,17.2 25.3,16.8 21.975,16.8 21.825,16.95 21.825,17.075 21.95,17.2 24.587,17.2 25.762,18.375 R17.1@26.349,18.375
SDRAM_D8: R18.1 U3.E1 | length 49.2
  Top Layer w0.13: R18.1@27.919,18.375 27.919,17.181 29.75,15.35 30.075,15.35 30.3,15.575 30.3,15.85 30.025,16.125 29.55,16.125 29.375,16.3 29.375,16.6 29.475,16.7 30.5,16.7 31.525,16.7 31.756,16.469 ccw(c31.889,16.602) 32.022,16.469 cw(c32.172,16.319) 32.322,16.469 32.397,16.394 cw(c32.247,16.244) 32.397,16.094 32.264,15.961 32.131,15.828 ccw(c32.281,15.678) 32.131,15.528 32.206,15.454 ccw(c32.356,15.603) 32.506,15.454 32.639,15.586 32.771,15.719 cw(c32.921,15.569) 33.071,15.719 33.146,15.644 cw(c32.996,15.495) 33.146,15.345 33.013,15.212 32.88,15.079 ccw(c33.03,14.929) 32.88,14.779 32.955,14.704 ccw(c33.105,14.854) 33.255,14.704 33.388,14.837 33.521,14.97 cw(c33.671,14.82) 33.821,14.97 33.896,14.895 cw(c33.746,14.745) 33.896,14.595 33.763,14.462 33.63,14.329 ccw(c33.78,14.179) 33.63,14.029 33.705,13.954 ccw(c33.855,14.104) 34.005,13.954 cw(c34.138,13.822) 34.271,13.954 34.325,13.9 34.402,13.9 ccw(c34.402,14.088) 34.59,14.088 cw(c34.802,14.088) 34.802,14.3 34.908,14.3 cw(c34.908,14.088) 35.12,14.088 35.12,13.9 35.12,13.712 ccw(c35.332,13.712) 35.332,13.5 35.438,13.5 ccw(c35.438,13.712) 35.65,13.712 35.65,13.9 35.65,14.088 cw(c35.862,14.088) 35.862,14.3 35.968,14.3 cw(c35.968,14.088) 36.18,14.088 36.18,13.9 36.18,13.712 ccw(c36.392,13.712) 36.392,13.5 36.498,13.5 ccw(c36.498,13.712) 36.71,13.712 36.71,13.9 36.71,14.088 cw(c36.922,14.088) 36.922,14.3 37.028,14.3 cw(c37.028,14.088) 37.24,14.088 37.24,13.9 37.24,13.712 ccw(c37.452,13.712) 37.452,13.5 37.558,13.5 ccw(c37.558,13.712) 37.77,13.712 cw(c37.958,13.712) 37.958,13.9 38.175,13.9 38.375,13.7 38.375,13.225 38.25,13.1 34.1,13.1 32.075,15.125 31.15,15.125 30.925,15.35 v1(30.925,16) ; U3.E1@32.35,9.35 32.35,9.375 32.7,9.725 v1(32.752,9.725)
  Bottom Layer w0.13: v1(30.925,16) 30.962,15.963 ccw(c31.112,16.112) 31.262,15.963 31.387,16.087 cw(c31.537,15.937) 31.687,16.087 31.762,16.012 cw(c31.612,15.862) 31.762,15.712 31.487,15.438 31.213,15.163 ccw(c31.363,15.014) 31.213,14.864 31.288,14.789 ccw(c31.438,14.939) 31.588,14.789 31.862,15.063 32.136,15.337 cw(c32.286,15.188) 32.436,15.337 32.511,15.262 cw(c32.361,15.113) 32.511,14.963 32.237,14.688 31.962,14.414 ccw(c32.112,14.264) 31.962,14.114 32.037,14.039 ccw(c32.187,14.189) 32.337,14.039 32.611,14.314 32.886,14.588 cw(c33.036,14.438) 33.186,14.588 33.261,14.513 cw(c33.111,14.363) 33.261,14.213 33.136,14.089 ccw(c33.286,13.939) 33.136,13.789 33.213,13.712 33.65,13.275 33.65,13 33.65,12.767 cw(c33.438,12.767) 33.438,12.555 33.262,12.555 ccw(c33.262,12.343) 33.05,12.343 33.05,12.237 ccw(c33.262,12.237) 33.262,12.025 33.65,12.025 34.038,12.025 cw(c34.038,11.813) 34.25,11.813 34.25,11.707 cw(c34.038,11.707) 34.038,11.495 33.65,11.495 33.262,11.495 ccw(c33.262,11.283) 33.05,11.283 33.05,11.177 ccw(c33.262,11.177) 33.262,10.965 33.438,10.965 cw(c33.438,10.753) 33.65,10.753 33.65,10.7 32.725,9.775 32.752,9.749 v1(32.752,9.725)
SDRAM_D9: R19.1 U3.D2 | length 50.5
  Top Layer w0.13: R19.1@29.489,18.375 29.489,17.533 29.672,17.35 v1(30.225,17.35) ; U3.D2@31.55,8.55 31.575,8.55 31.952,8.927 v1(31.952,8.95)
  L4_Sig w0.13: v1(30.225,17.35) 30.225,17.373 29.975,17.623 29.975,21.4 30.275,21.7 30.725,21.7 31.325,21.1 31.325,20.5 31.325,20.252 cw(c31.113,20.252) 31.113,20.04 30.937,20.04 ccw(c30.937,19.828) 30.725,19.828 30.725,19.722 ccw(c30.937,19.722) 30.937,19.51 31.325,19.51 31.713,19.51 cw(c31.713,19.298) 31.925,19.298 31.925,19.192 cw(c31.713,19.192) 31.713,18.98 31.325,18.98 30.937,18.98 ccw(c30.937,18.768) 30.725,18.768 30.725,18.662 ccw(c30.937,18.662) 30.937,18.45 31.325,18.45 31.713,18.45 cw(c31.713,18.238) 31.925,18.238 31.925,18.132 cw(c31.713,18.132) 31.713,17.92 31.325,17.92 30.937,17.92 ccw(c30.937,17.708) 30.725,17.708 30.725,17.602 ccw(c30.937,17.602) 30.937,17.39 31.113,17.39 cw(c31.113,17.178) 31.325,17.178 31.325,17.125 30.025,15.825 30.025,15.475 30.425,15.075 31.575,15.075 33.4,16.9 33.875,16.9 34.225,16.55 34.225,16.275 34.086,16.136 ccw(c34.236,15.986) 34.086,15.836 34.21,15.712 cw(c34.06,15.562) 34.21,15.412 34.135,15.337 cw(c33.985,15.487) 33.836,15.337 33.561,15.611 33.287,15.886 ccw(c33.137,15.736) 32.987,15.886 32.912,15.811 ccw(c33.062,15.661) 32.912,15.511 33.186,15.236 33.461,14.962 cw(c33.311,14.812) 33.461,14.662 33.386,14.587 cw(c33.236,14.737) 33.086,14.587 32.812,14.862 32.537,15.136 ccw(c32.387,14.986) 32.238,15.136 32.163,15.061 ccw(c32.312,14.911) 32.163,14.761 32.437,14.487 32.711,14.213 cw(c32.561,14.063) 32.711,13.913 32.636,13.838 cw(c32.486,13.988) 32.337,13.838 32.062,14.112 31.788,14.387 ccw(c31.638,14.237) 31.488,14.387 31.413,14.312 ccw(c31.563,14.162) 31.413,14.012 31.537,13.887 cw(c31.388,13.737) 31.537,13.587 31.5,13.55 31.575,9.676 31.575,9.45 31.35,9.225 30,9.225 29.875,9.1 29.875,5 30.125,4.75 30.3,4.75 30.5,4.95 30.5,8.375 31.075,8.95 v1(31.952,8.95)